# Altium PCB Wireless Security Board.PcbDoc (part 1 of 2) (continued)
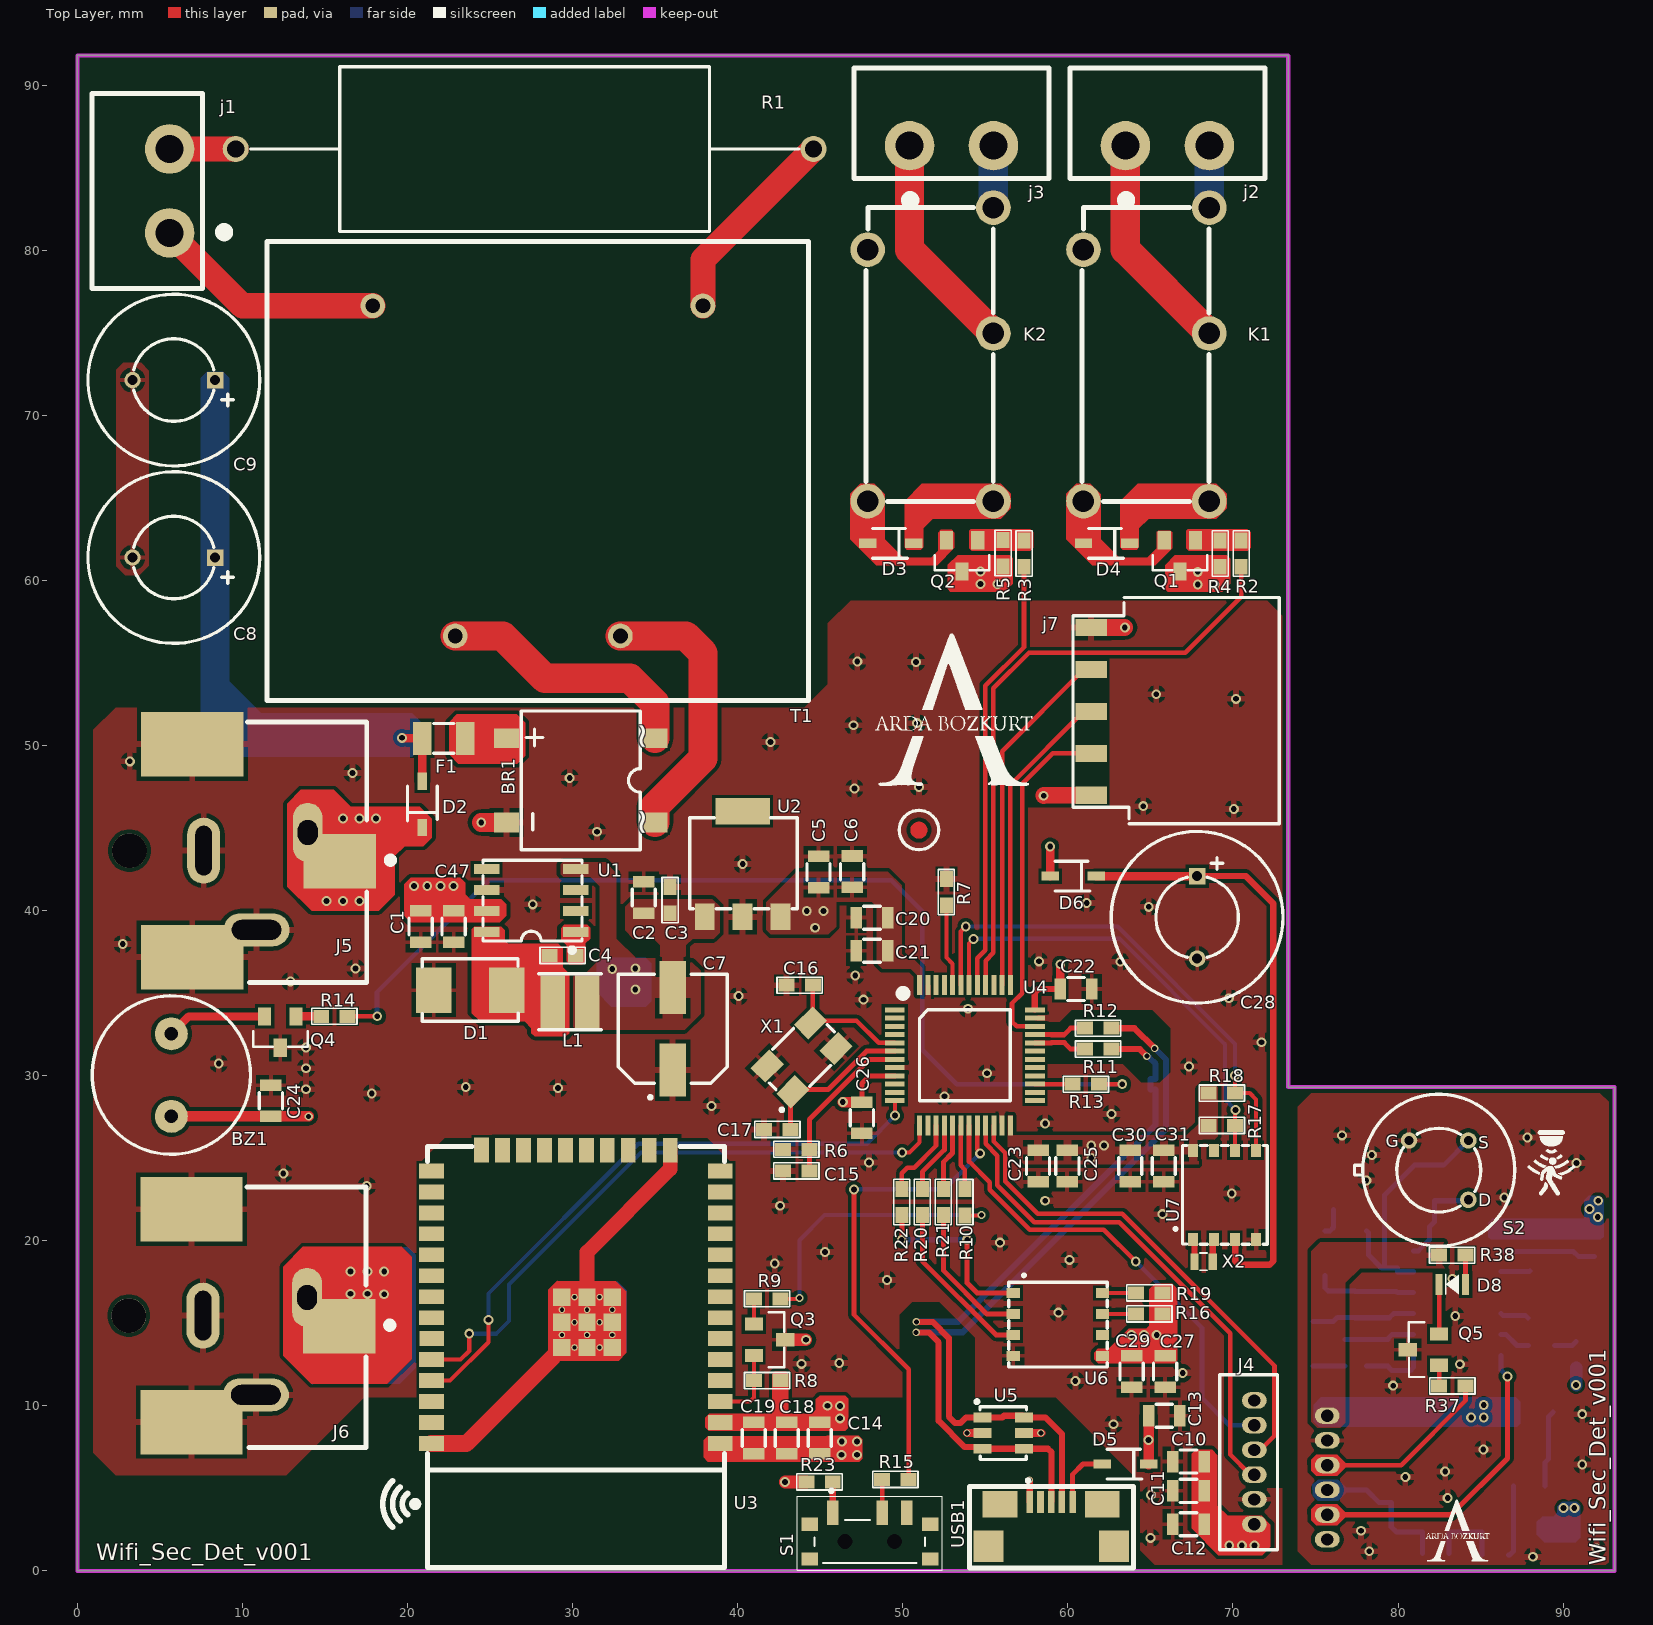
[diagram p0: Top Layer view]
## Design rules (kind name [scope] priority, off if disabled: settings)
Clearance [All] p1: gap=0.229 ignorepadtopadclearanceinfootprint=TRUE except(0: Arc-Text Track-Text SMDPad-Text THPad-Text Via-Text Fill-Text Poly-Text Region-Text Text-Text Text-Hole; 0.178: Arc-Arc Arc-Track Arc-SMDPad Arc-Via Track-Track Track-SMDPad Track-Via SMDPad-Fill SMDPad-Poly SMDPad-Region Via-Via; 0.203: SMDPad-SMDPad SMDPad-THPad THPad-THPad; 0.254: Arc-THPad Track-THPad SMDPad-Via THPad-Via)
ComponentClearance [All] p1: gap=0.127 collisioncheckmode=3 verticalgap=0 showdistances=FALSE
DiffPairsRouting DiffPairsRouting_1 [InDifferentialPair('MCU')] p1: maxlimit=0.178 minlimit=0.178 mostfreqgap=0.178 toplayer_minwidth=0.305 toplayer_maxwidth=0.305 toplayer_prefwidth=0.305 bottomlayer_minwidth=0.305 bottomlayer_maxwidth=0.305 bottomlayer_prefwidth=0.305 impedanceprofiledriven=TRUE impedanceprofileid={00F1DBD9-82CD-4BBC-8852-55A6683EBD23} impedanceprofilevalue=90.000000 maxuncoupledlength=12.7
DiffPairsRouting [InDifferentialPair('USB')] p2: maxlimit=0.254 minlimit=0.254 mostfreqgap=0.254 toplayer_minwidth=0.373 toplayer_maxwidth=0.373 toplayer_prefwidth=0.373 bottomlayer_minwidth=0.373 bottomlayer_maxwidth=0.373 bottomlayer_prefwidth=0.373 impedanceprofiledriven=TRUE impedanceprofileid={4055D575-A5D5-4756-BC95-52A0656D1396} impedanceprofilevalue=90.000000 maxuncoupledlength=12.7
HoleSize [All] p1: absolutevalues=TRUE maxlimit=6 minlimit=0.025 maxpercent=80.000 minpercent=20.000
MinimumSolderMaskSliver [All] p1: minsoldermaskwidth=0.127
NetAntennae [All] p1: netantennaetolerance=0.254
PasteMaskExpansion [All] p1: expansion=0.05
PlaneClearance [All] p1: clearance=0.762
PlaneConnect [All] p1: planeconnectstyle=Relief reliefexpansion=0.381 reliefentries=4 reliefconductorwidth=0.381 reliefairgap=0.254
PolygonConnect [All] p1: connectstyle=Relief reliefconductorwidth=0.381 reliefentries=4 polygonreliefangle="90 Angle" airgapwidth=0.254
RoutingCorners [All] p1: cornerstyle=45-Degree minsetback=2.032 maxsetback=2.032
RoutingVias [All] p1: holewidth=0.3 width=0.5 viastyle="Through Hole" minholewidth=0.2 minwidth=0.4 maxholewidth=0.8 maxwidth=1
SMDEntry [All] p1: side=TRUE corner=TRUE anyangle=TRUE
SMDToCorner [All] p1: distance=10000
SilkToSilkClearance [All] p1 off: silktosilkclearance=0
SilkToSolderMaskClearance [IsPad] p1 off: minsilkscreentomaskgap=0.127 clearancetoexposedcopper=TRUE
SolderMaskExpansion [All] p1: expansion=0.05 istentingtop=TRUE
UnRoutedNet [All] p1: checkbadconnections=TRUE
Width [All] p1: maxlimit=1.778 minlimit=0.203 preferedwidth=0.279 minimp=50.000000 maximp=50.000000 favimp=50.000000
18 further rules are at their usual default settings.

## Classes and differential pairs
component class "Sensor Board": C32 C33 C34 C35 C36 C37 C38 C39 C40 C41 C42 C43 C44 C45 C46 D7 D8 J8 Q5 R24 R25 R26 R27 R28 R29 R30 R31 R32 R33 R34 R35 R36 R37 R38 RT1 S2 U8 U9
component class "Power Manengement": BR1 C1 C2 C3 C4 C5 C6 C7 C8 C9 C10 C11 C12 C13 C47 D1 D2 D3 D4 D5 F1 j1 j2 j3 J4 J5 J6 j7 K1 K2 L1 Q1 Q2 R1 R2 R3 R4 R5 T1 U1 U2 USB1
component class Microcontroller: BZ1 C14 C15 C16 C17 C18 C19 C20 C21 C22 C23 C24 C25 C26 C27 C28 C29 C30 C31 D6 Q3 Q4 R6 R7 R8 R9 R10 R11 R12 R13 R14 R15 R16 R17 R18 R19 R20 R21 R22 R23 S1 U3 U4 U5 U6 U7 X1 X2
differential pair MCU: +MCU_P -MCU_N
differential pair USB: +USB_P -USB_N

## Components (designator, comment, footprint, x,y, rotation, side; value= is the part's Value field where it differs from the comment)
BR1 "DB105STR" DB105STR 30.488,47.892 r90 top
BZ1 "CMI-9605IC-0580T" CMI-9605IC-0580T 5.688,30.042 r0 top
C1 "GRM21BR60G107ME11K" CAP-0805 20.788,39.037 r90 top value=100uF
C2 "CL21B105KAFNNNE" CAP-0805 34.302,40.792 r270 top value=1uF
C3 "C0603C104KRACTU" CAP-0603 35.915,40.66 r270 top value=100nF
C4 "0603B103K160CT" CAP-0603 29.37,37.3 r0 top value=10nF
C5 "CL21B105KAFNNNE" CAP-0805 44.894,42.352 r270 top value=1uF
C6 "CL21A475KAQNNNE" CAP-0805 46.926,42.362 r270 top value=4.7uF
C7 "EEV686M035A9HAA" "CAP ALUM HYB 68UF 20% 35V SMD" 36.156,32.741 r90 top value=68uF
C8 "ESH477M050AH4AA" CAP_RADİAL_D1_PS 5.838,61.392 r180 top value=470uF
C9 "ESH477M050AH4AA" CAP_RADİAL_D1_PS 5.838,72.142 r180 top value=470uF
C10 "CL21A475KAQNNNE" CAP-0805 67.3,6.629 r0 top value=4.7uF
C11 "CL21A475KAQNNNE" CAP-0805 67.3,4.851 r0 top value=4.7uF
C12 "CL21B105KAFNNNE" CAP-0805 67.3,2.83 r0 top value=1uF
C13 "CL21A475KAQNNNE" CAP-0805 65.837,9.398 r180 top value=4.7uF
C14 "CL21B105KAFNNNE" CAP-0805 44.972,8.058 r90 top value=1uF
C15 "C0603C104KRACTU" CAP-0603 43.531,24.244 r0 top value=100nF
C16 "0603N200J500CT" CAP-0603 43.734,35.496 r0 top value=20pF
C17 "0603N200J500CT" CAP-0603 42.374,26.759 r0 top value=20pF
C18 "CL21A475KAQNNNE" CAP-0805 42.972,8.058 r90 top value=4.7uF
C19 "08055C104KAT2A" CAP-0805 40.972,8.058 r90 top value=100nF
C20 "CL21A475KAQNNNE" CAP-0805 48.131,39.567 r0 top value=4.7uF
C21 "CL21B105KAFNNNE" CAP-0805 48.131,37.567 r0 top value=1uF
C22 "08055C104KAT2A" CAP-0805 60.488,35.255 r180 top value=100nF
C23 "08055C104KAT2A" CAP-0805 58.191,24.526 r90 top value=100nF
C24 "08055C104KAT2A" CAP-0805 11.721,28.484 r270 top value=100nF
C25 "08055C104KAT2A" CAP-0805 59.969,24.526 r90 top value=100nF
C26 "08055C104KAT2A" CAP-0805 47.523,27.457 r90 top value=100nF
C27 "CL21B105KAFNNNE" CAP-0805 65.888,12.08 r90 top value=1uF
C28 "ESH477M050AH4AA" CAP_RADİAL_D1_PS 67.83,39.599 r270 top value=470uF
C29 "08055C104KAT2A" CAP-0805 63.856,12.08 r90 top value=100nF
C30 "08055C104KAT2A" CAP-0805 63.779,24.526 r90 top value=100nF
C31 "CL21B105KAFNNNE" CAP-0805 65.811,24.526 r90 top value=1uF
C32 "C3216X5R1C336M160AB" "CAP 1206" 74.838,13.757 r270 bottom value=33uF
C33 "0603B103K160CT" CAP-0603 78.688,16.157 r270 bottom value=10nF
C34 "C3216X5R1C336M160AB" "CAP 1206" 75.588,19.257 r270 bottom value=33uF
C35 "08055C104KAT2A" CAP-0805 81.256,22.428 r0 bottom value=100nF
C36 "0603B103K160CT" CAP-0603 78.069,13.232 r270 bottom value=10nF
C37 "08055C104KAT2A" CAP-0805 78.088,21.557 r270 bottom value=100nF
C38 "C0603C104KRACTU" CAP-0603 90.301,1.739 r90 bottom value=100nF
C39 "CL21A475KAQNNNE" CAP-0805 85.088,3.307 r270 bottom value=4.7uF
C40 "CL21B105KAFNNNE" CAP-0805 80.538,4.14 r180 bottom value=1uF
C41 "08055C104KAT2A" CAP-0805 89.588,18.407 r90 bottom value=100nF
C42 "08055C104KAT2A" CAP-0805 88.288,21.557 r270 bottom value=100nF
C43 "CL21B105KAFNNNE" CAP-0805 90.288,21.557 r270 bottom value=1uF
C44 "CL21A475KAQNNNE" CAP-0805 82.488,8.507 r90 bottom value=4.7uF
C45 "CL21A475KAQNNNE" CAP-0805 80.488,8.507 r90 bottom value=4.7uF
C46 "CL21B105KAFNNNE" CAP-0805 78.488,8.507 r90 bottom value=1uF
C47 "CL21B105KAFNNNE" CAP-0805 22.788,39.037 r90 top value=1uF
D1 "1SMB5919BT3G" DİODE403A-03 23.788,35.187 r0 top
D2 "1N4148WS" SOT-323 20.888,46.442 r90 top value=4pF
D3 "1N4148WS" SOT-323 49.266,62.255 r180 top value=4pF
D4 "1N4148WS" SOT-323 62.347,62.255 r180 top value=4pF
D5 "1N4148WS" SOT-323 63.488,6.477 r180 top value=4pF
D6 "1N4148WS" SOT-323 60.322,42.088 r180 top value=4pF
D7 "LTST-C171GKT" "LED GREEN 0805" 88.688,13.657 r0 bottom
D8 "LS R976-NR-1" "LED RED 0805" 83.288,17.357 r0 top
F1 "3413.0216.22" FUSE-1206 22.188,50.437 r180 top
j1 "TBP01R1-508-02BE" TBP01R1-508-02BE 5.588,83.602 r90 top
j2 "TBP01R1-508-02BE" TBP01R1-508-02BE 66.028,86.342 r0 top
j3 "TBP01R1-508-02BE" TBP01R1-508-02BE 52.948,86.342 r0 top
J4 "64800611622" PİN_HEADER_1X6 71.298,6.58 r90 top
J5 "PJ-037AH-SMT-TR" JACK 9.525,43.637 r0 top
J6 "PJ-037AH-SMT-TR" JACK 9.486,15.469 r0 top
j7 "SMH-105-02-L-S" "PİN HEADER 1X5 RA" 61.404,52.07 r90 top
J8 "64800611622" PİN_HEADER_1X6 75.713,5.657 r270 bottom
K1 "ALQ112" ALQ112 64.753,73.697 r0 top
K2 "ALQ112" ALQ112 51.678,73.697 r0 top
L1 "78438335470" "IND 1212" 29.838,34.487 r0 top value=47uH
Q1 "MMBT3904-7-F" SOT23-3 66.788,61.492 r180 top
Q2 "MMBT3904-7-F" SOT23-3 53.588,61.492 r180 top
Q3 "MMBT3904-7-F" SOT23-3 41.932,14.006 r270 top
Q4 "MMBT3904-7-F" SOT23-3 12.288,32.642 r180 top
Q5 "MMBT3904-7-F" SOT23-3 81.538,13.407 r90 top
R1 "5WD27" 5WD27 27.088,86.142 r0 top
R2 "RMCF0603FT1K00" RES-0603 70.497,61.633 r90 top value="1k OHM"
R3 "RMCF0603FT1K00" RES-0603 57.34,61.633 r90 top value="1k OHM"
R4 "RC0603FR-0710KL" RES-0603 69.227,61.633 r90 top value="10k OHM"
R5 "RC0603FR-0710KL" RES-0603 56.07,61.659 r90 top value="10k OHM"
R6 "RMCF0603FT100R" RES-0603 43.548,25.544 r0 top value="100 OHM"
R7 "RMCF0603FT100R" RES-0603 52.638,41.123 r270 top value="100 OHM"
R8 "RMCF0603FT1K00" RES-0603 41.782,11.532 r180 top value="1k OHM"
R9 "RMCF0603FT100R" RES-0603 41.782,16.485 r180 top value="100 OHM"
R10 "RMCF0603FT100R" RES-0603 53.761,22.342 r270 top value="100 OHM"
R11 "RMCF0603FT4K70" RES-0603 61.836,31.61 r180 top value="4.7k OHM"
R12 "RMCF0603FT4K70" RES-0603 61.836,32.88 r180 top value="4.7k OHM"
R13 "RMCF0603FT100R" RES-0603 61.086,29.489 r0 top value="100 OHM"
R14 "RMCF0603FT100R" RES-0603 15.57,33.604 r180 top value="100 OHM"
R15 "RMCF0603FT100R" RES-0603 49.552,5.545 r180 top value="100 OHM"
R16 "RC0603FR-0710KL" RES-0603 64.931,15.571 r0 top value="10k OHM"
R17 "RMCF0603FT4K70" RES-0603 69.329,26.993 r180 top value="4.7k OHM"
R18 "RMCF0603FT4K70" RES-0603 69.329,28.948 r180 top value="4.7k OHM"
R19 "RC0603FR-0710KL" RES-0603 64.938,16.841 r0 top value="10k OHM"
R20 "RMCF0603FT100R" RES-0603 51.181,22.352 r90 top value="100 OHM"
R21 "RMCF0603FT100R" RES-0603 52.451,22.352 r90 top value="100 OHM"
R22 "RMCF0603FT100R" RES-0603 49.936,22.352 r90 top value="100 OHM"
R23 "RMCF0603FT100R" RES-0603 44.954,5.392 r180 top value="100 OHM"
R24 "RC0603FR-0710KL" RES-0603 76.088,22.707 r270 bottom value="10k OHM"
R25 "RC0603FR-0710KL" RES-0603 88.088,6.557 r0 bottom value="10k OHM"
R26 "RMCF0603FT560K" RES-0603 77.388,16.157 r270 bottom value="560k OHM"
R27 "RC0603FR-0710KL" RES-0603 76.782,13.214 r90 bottom value="10k OHM"
R28 "RMCF0603FT560K" RES-0603 79.382,13.214 r270 bottom value="560k OHM"
R29 "RMCF0603FT43K0" RES-0603 78.288,18.357 r0 bottom value="43k OHM"
R30 "RMCF0603FT1K00" RES-0603 85.888,0.957 r180 bottom value="1k OHM"
R31 "WR06X2203FTL" RES-0603 82.288,2.357 r180 bottom value="220k OHM"
R32 "WR06X2203FTL" RES-0603 82.288,1.057 r180 bottom value="220k OHM"
R33 "RMCF0603ZT0R00" RES-0603 88.683,15.316 r180 bottom value="0 OHM"
R34 "RMCF0603FT1K00" RES-0603 90.788,13.107 r270 bottom value="1k OHM"
R35 "RMCF0603ZT0R00" RES-0603 87.988,17.357 r90 bottom value="0 OHM"
R36 "WR06X2203FTL" RES-0603 91.888,19.857 r90 bottom value="220k OHM"
R37 "RMCF0603FT1K00" RES-0603 83.288,11.207 r180 top value="1k OHM"
R38 "RMCF0603FT100R" RES-0603 83.286,19.126 r180 top value="100 OHM"
RT1 "TFPT1206L1002FM" TFPT1206 87.947,9.627 r180 bottom value=10kR
S1 "EG1215AA" "SWİCH SLİDE" 47.998,1.78 r0 top
S2 "LHI 878/3902" TO-5-3 82.463,24.282 r0 top
T1 "BV302512010-ZU" BV302512010-ZU 27.888,66.642 r180 top
U1 "LM2675MX-12/NOPB" SOIC-8 27.488,40.612 r90 top
U2 "AP7361-33E-13" SOT223 40.296,42.824 r0 top
U3 "ESP32-WROOM-32N4" ESP32­WROOM­32-N4 30.193,16.614 r180 top
U4 "STM32F103C6T6A" LQFP48 53.762,31.242 r270 top
U5 "USBLC6-2SC6" SOT23-6 56.083,8.357 r0 top value=3.5pF
U6 "MAX6662MSA+" SO8 59.388,14.936 r270 top
U7 "M41T00M6F" SO8 69.494,22.776 r0 top
U8 "OPA314AIDBVR" SOT23-5 87.938,3.857 r0 bottom
U9 "NCS36000DRG" SOIC-14 83.588,16.857 r0 bottom
USB1 "10118192-0002LF" MİCRO_B_USB 58.988,4.177 r0 top
X1 "ECS-160-20-30B-TR" ECX_53b 43.875,31.118 r45 top
X2 "ABS05-32.768KHZ-T" ABS05 68.224,18.738 r0 top

## Footprints (in the part's own frame and the unit in brackets; to place one, negate y for a bottom-side part, rotate by r counter-clockwise, add the part's x,y. Pads: shape width x height; smd on the part's side, far side on the other; paste and mask are expansions set on the pad)
5WD27 [mm]
  round 1.575 hole 1.05: 1(-17.5,0) 2(17.5,0)
  silkscreen extent -16.6,-5 16.6,4.98, body extent -17.9,-4.82 17.9,4.83, height 9.66
ABS05 [mm]
  rect 0.5x1 smd mask+0.05: 1(-0.55,0) 2(0.55,0)
  silkscreen extent -0.23,-0.53 0.23,0.53, body extent -0.8,-0.5 0.8,0.5, height 0.5
ALQ112 [mm]
  round 2.1 hole 1.3 mask+0.05: 1(-3.81,6.35) 2(3.81,1.27) 3(3.81,8.89) 4(-3.81,-8.89) 5(3.81,-8.89)
  silkscreen extent -3.9,-8.9 3.8,8.9, body extent -5,-10 5,10.27, height 16
BV302512010-ZU [mm]
  round 1.5 hole 0.9 mask+0.05: 1(10,-10) 5(-10,-10) 7(-5,10) 9(5,10)
  silkscreen extent -16.4,-13.9 16.4,13.9, body extent -16.4,-13.9 16.4,13.9, height 22.9
"CAP 1206" [mm]
  rect 0.7x1.7 smd mask+0.05: 1(-1.35,0) 2(1.35,0)
  silkscreen extent -0.9,-0.8 0.9,0.8, body extent -1.97,-0.98 1.97,0.98, height 1.3
"CAP ALUM HYB 68UF 20% 35V SMD" [mm] "EEH-ZA1V680XP"
  rect 3.2x1.6 smd: 1(-2.4,0.1) 2(2.6,0.1)
  silkscreen extent -4.15,-3.2 3.4,3.4, body extent -3.55,-3.2 3.75,3.4, height 7.7
CAP-0603 [mil]
  rect 38x31 smd mask+1.97: 1(-30.8,-0.5) 2(32.2,-0.5)
  silkscreen extent -53,-20 55,19, body extent -40,-20 43,20, height 31
CAP-0805 [mm]
  rect 0.7x1.3 smd mask+0.05: 1(-0.95,0) 2(0.95,0)
  silkscreen extent -0.5,-0.7 0.5,0.7, body extent -1.3,-0.68 1.3,0.68, height 0.9
CAP_RADİAL_D1_PS [mm]
  rect 1x1 hole 0.6 mask+0.05: 1(-2.5,0)
  round 1 hole 0.6 mask+0.05: 2(2.5,0)
  silkscreen extent -5.2,-5.2 5.2,5.2, body extent -5.27,-5.24 5.25,5.24, height 22.11
CMI-9605IC-0580T [mm] "BUZZER-MAGNETIC-5V"
  round 2 hole 0.8 mask+0.05: 1(0,-2.5) 2(0,2.5)
  silkscreen extent -4.8,-4.8 4.8,4.8, body extent -4.97,-4.83 4.83,4.77, height 5.3
DB105STR [mm] "BRIDGE-RECT-DBS-1PHASE-600V-1A"
  rect 1.2x1.52 smd: 1(-2.55,-4.5) 2(2.55,-4.5) 3(2.55,4.5) 4(-2.55,4.5)
  silkscreen extent -4.2,-3.6 4.2,3.6, body extent -4.16,-5.18 4.16,5.22, height 2.66
DİODE403A-03 [mm]
  rect 2.159x2.743 smd mask+0.05: 1(-2.21,0) 2(2.21,0)
  silkscreen extent -2.9,-1.88 2.91,1.9, body extent -2.72,-1.78 2.72,1.78, height 2.31
ECX_53b [mm]
  rect 1.6x1.25 smd mask+0.05: 1(-1.85,-1.1) 2(1.85,-1.1) 3(1.85,1.1) 4(-1.85,1.1)
  silkscreen extent -3.2,-1.6 2.5,1.6, body extent -2.5,-1.6 2.5,1.6, height 0.85
ESP32­WROOM­32-N4 [mm]
  rect 1.5x0.9 smd mask+0.05: 1(-8.75,8.89) 1(-8.75,8.89) 2(-8.75,7.62) 3(-8.75,6.35) 4(-8.75,5.08) 5(-8.75,3.81) 6(-8.75,2.54) 7(-8.75,1.27) 8(-8.75,0) 9(-8.75,-1.27) 10(-8.75,-2.54) 11(-8.75,-3.81) 12(-8.75,-5.08) 13(-8.75,-6.35) 14(-8.75,-7.62) 25(8.75,-7.62) 25(8.75,-7.62) 26(8.75,-6.35) 27(8.75,-5.08) 28(8.75,-3.81) 29(8.75,-2.54) 30(8.75,-1.27) 31(8.75,0) 32(8.75,1.27) 33(8.73,2.535) 34(8.75,3.81) 35(8.75,5.08) 36(8.75,6.35) 37(8.75,7.62) 38(8.75,8.89)
  rect 0.9x1.5 smd mask+0.05: 15(-5.715,-8.87) 15(-5.715,-8.87) 16(-4.445,-8.87) 17(-3.175,-8.87) 18(-1.905,-8.87) 19(-0.635,-8.87) 20(0.635,-8.87) 21(1.905,-8.87) 22(3.175,-8.87) 23(4.445,-8.87) 24(5.715,-8.89)
  rect 1.05x1.05 smd mask+0.05: 39(-2.206,1.55) 39(-2.206,3.076) 39(-2.206,0.024) 39(-0.68,3.076) 39(-0.68,1.55) 39(-0.68,0.024) 39(0.846,3.076) 39(0.846,1.55) 39(0.846,0.024)
  round 0.4 hole 0.25 mask+0.05: 40(-2.206,2.313) 40(-2.206,0.787) 40(-1.443,3.076) 40(-1.443,1.55) 40(-1.443,0.024) 40(-0.68,2.313) 40(-0.68,0.787) 40(0.083,3.076) 40(0.083,1.55) 40(0.083,0.024) 40(0.846,2.313) 40(0.846,0.787)
  silkscreen extent -9,-9.1 9,16.4, body extent -9,-9.1 9,16.4, height 3.35
FUSE-1206 [mm] "FUSE 3413.0216.22"
  rect 1.1x2 smd mask+0.05: 1(-1.3,0) 2(1.3,0)
  silkscreen extent -0.6,-0.9 0.6,0.9, body extent -1.6,-0.8 1.6,0.8, height 0.6
"IND 1212" [mm]
  rect 1.5x3.2 smd mask+0.05: 1(-1.05,0) 2(1.05,0)
  silkscreen extent -1.9,-1.7 1.9,1.7, body extent -1.5,-1.5 1.5,1.5, height 1.2
JACK [mm] "DC POWER JACK"
  oval 1.8x3.6 hole 1.2 slot 1.5 at 90 deg: 1(4.425,1.1)
  rect 4.4x3.3 smd: 1(6.375,-0.65)
  rect 6.2x3.9 smd: 2(-2.575,6.45) 3(-2.575,-6.45)
  oval 2x4 hole 1 slot 3 at 90 deg: 2(-1.875,0)
  oval 4x2 hole 1.2 slot 3 at 0 deg: 3(1.325,-4.8)
  round 2.1 hole 2.1 unplated: ""(-6.375,0)
  silkscreen extent 0.78,-8 9.63,7.8, body extent -9.38,-7.65 7.73,7.55, height 11.2
"LED GREEN 0805" [mm]
  rect 0.43x1.25 smd mask+0.05: 1(-0.8,0) 2(0.8,0)
  silkscreen extent -0.4,-0.6 0.4,0.6, body extent -1,-0.63 1,0.63, height 1.1
"LED RED 0805" [mm]
  rect 0.43x1.25 smd mask+0.05: 1(-0.8,0) 2(0.8,0)
  silkscreen extent -0.4,-0.6 0.4,0.6, body extent -1,-0.63 1,0.63, height 1.1
LQFP48 [mm]
  rect 0.3x1.2 smd mask+0.05: 1(-2.75,-4.25) 2(-2.25,-4.25) 3(-1.75,-4.25) 4(-1.25,-4.25) 5(-0.75,-4.25) 6(-0.25,-4.25) 7(0.25,-4.25) 8(0.75,-4.25) 9(1.25,-4.25) 10(1.75,-4.25) 11(2.25,-4.25) 12(2.75,-4.25) 25(2.75,4.25) 26(2.25,4.25) 27(1.75,4.25) 28(1.25,4.25) 29(0.75,4.25) 30(0.25,4.25) 31(-0.25,4.25) 32(-0.75,4.25) 33(-1.25,4.25) 34(-1.75,4.25) 35(-2.25,4.25) 36(-2.75,4.25)
  rect 1.2x0.3 smd mask+0.05: 13(4.25,-2.75) 14(4.25,-2.25) 15(4.25,-1.75) 16(4.25,-1.25) 17(4.25,-0.75) 18(4.25,-0.25) 19(4.25,0.25) 20(4.25,0.75) 21(4.25,1.25) 22(4.25,1.75) 23(4.25,2.25) 24(4.25,2.75) 37(-4.25,2.75) 38(-4.25,2.25) 39(-4.25,1.75) 40(-4.25,1.25) 41(-4.25,0.75) 42(-4.25,0.25) 43(-4.25,-0.25) 44(-4.25,-0.75) 45(-4.25,-1.25) 46(-4.25,-1.75) 47(-4.25,-2.25) 48(-4.25,-2.75)
  silkscreen extent -3.9,-3.9 2.75,2.75, body extent -4.51,-4.51 4.51,4.51, height 1.6
MİCRO_B_USB [mm] "CONN RCPT USB2.0 MICRO B SMD R/A"
  rect 0.4x1.35 smd: 1(1.3,0) 2(0.65,0) 3(0,0) 4(-0.65,0) 5(-1.3,0)
  rect 2.1x1.6 smd: S1(-3.1,-0.125) S2(3.1,-0.125)
  rect 1.8x1.9 smd: S3(-3.8,-2.675) S6(3.8,-2.675)
  silkscreen extent -4.95,-4 4.97,1.4, body extent -3.95,-4.82 3.95,0.28, height 2.7
"PİN HEADER 1X5 RA" [mm] "CONN RCPT 5POS 0.1 GOLD SMD R/A"
  rect 1.04x1.91 smd mask+0: 1(-5.08,0) 2(-2.54,0) 3(0,0) 4(2.54,0) 5(5.08,0)
  silkscreen extent -6.81,-11.4 6.9,1.1, body extent -6.6,-11.35 6.61,0.59, height 2.51
PİN_HEADER_1X6 [mm]
  oval 1x1.5 hole 0.75 mask+0.05: 1(-3.75,0) 2(-2.25,0) 3(-0.75,0) 4(0.75,0) 5(2.25,0) 6(3.75,0)
  silkscreen extent -5.3,-1.4 5.3,2.1, body extent -5.25,-1.4 5.25,2.1, height 4.95
RES-0603 [mil]
  rect 38x31 smd mask+1.97: 1(-31.5,0) 2(31.5,0)
  silkscreen extent -54,-19 54,19, body extent -38,-20 39,19, height 17
SO8 [mm]
  rect 0.6x0.8 smd mask+0.05: 1(-1.905,-2.7) 2(-0.635,-2.7) 3(0.635,-2.7) 4(1.905,-2.7) 5(1.905,2.7) 6(0.635,2.7) 7(-0.635,2.7) 8(-1.905,2.7)
  silkscreen extent -3.05,-2.98 2.58,3, body extent -2.45,-3 2.45,3, height 1.75
SOIC-8 [mm]
  rect 0.6x1.55 smd mask+0.05: 1(-1.905,-2.7) 2(-0.635,-2.7) 3(0.635,-2.7) 4(1.905,-2.7) 5(1.905,2.7) 6(0.635,2.7) 7(-0.635,2.7) 8(-1.905,2.7)
  silkscreen extent -3.14,-3.08 2.45,2.93, body extent -2.46,-3.07 2.44,2.93, height 1.75
SOIC-14 [mm]
  rect 1.18x0.58 smd mask+0.05: 1(-2.66,3.81) 1(-2.66,3.81) 2(-2.66,2.54) 3(-2.66,1.27) 4(-2.66,0) 5(-2.66,-1.27) 6(-2.66,-2.54) 7(-2.66,-3.81) 8(2.66,3.81) 9(2.66,2.54) 10(2.66,1.27) 11(2.66,0) 12(2.66,-1.27) 13(2.66,-2.54) 14(2.66,-3.81)
  silkscreen extent -4.07,-4.4 1.9,4.42, body extent -3.02,-4.32 3.02,4.32, height 1.57
SOT23-3 [mm]
  rect 0.8x1.1 smd mask+0.05: 1(-0.95,-0.95) 2(0.95,-0.95) 3(0,0.95)
  silkscreen extent -1.66,-0.05 1.65,0.88, body extent -1.5,-1.25 1.5,1.25, height 1.1
SOT23-5 [mm]
  rect 0.7x1 smd mask+0.05: 1(-0.95,-1.3) 2(0,-1.3) 3(0.95,-1.3) 4(-0.95,1.3) 5(0.95,1.3)
  silkscreen extent -1.56,-0.89 1.56,0.9, body extent -1.5,-1.42 1.5,1.42, height 1.2
SOT23-6 [mm]
  rect 1.1x0.6 smd mask+0.05: 1(-1.25,0.95) 2(-1.25,0) 3(-1.25,-0.95) 4(1.25,-0.95) 5(1.25,0) 6(1.25,0.95)
  silkscreen extent -1.7,-1.6 1.41,2, body extent -1.4,-1.46 1.4,1.46, height 1.4
SOT223 [mm]
  rect 1.2x1.6 smd mask+0.05: 1(-2.3,-3.2) 2(0,-3.2) 3(2.3,-3.2)
  rect 3.3x1.6 smd mask+0.05: 4(0,3.2)
  silkscreen extent -3.2,-2.7 3.3,2.8, body extent -3.25,-3.48 3.25,3.48, height 1.7
SOT-323 [mm]
  rect 1.05x0.55 smd mask+0.05: 1(-1.4,0) 2(1.4,0)
  silkscreen extent -1,-0.9 1.1,0.9, body extent -1.35,-0.72 1.35,0.72, height 1.17
"SWİCH SLİDE" [mm]
  rect 1x0.8 smd: 0(-3.65,-1.05) 0(-3.65,1.05) 0(3.65,-1.05) 0(3.65,1.05)
  rect 0.7x1.5 smd: 1(-2.25,1.75) 2(0.75,1.75) 3(2.25,1.75)
  round 0 hole 0.9 unplated: ""(-1.5,0) ""(1.5,0)
  silkscreen extent -4.4,-1.75 4.4,3.17, body extent -3.85,-2.7 3.85,2.2, height 1.45
TBP01R1-508-02BE [mm] "TERMINAL BLOCK, PLUGGABLE, 5.08,"
  round 3 hole 1.7 mask+0.05: 1(-2.54,0) 2(2.54,0)
  silkscreen extent -5.9,-3.5 5.9,4.7, body extent -5.86,-2 5.9,10, height 8.7
TFPT1206 [mm]
  rect 1.15x1.8 smd mask+0.05: 1(-1.45,0) 2(1.45,0)
  silkscreen extent -0.8,-0.9 0.81,0.9, body extent -1.6,-0.83 1.6,0.83, height 0.66
TO-5-3 [mm] "LHI 878"
  round 1 hole 0.55 mask+0.05: 1(1.796,-1.796) 2(1.796,1.796) 3(-1.796,1.796)
  silkscreen extent -5.1,-4.6 4.6,4.6, body extent -5.08,-4.6 4.6,4.6, height 4.5

## Part data
BR1: "Bridge Rect 1PHASE 600V 1A Db-s", Manufacturer="Sangdest Microelectronics", Manufacturer Part Number=DB105S, Max Current=1A, Operating Voltage=600V, Supplier Part Number=1655-DB105SCT-ND, Category=Uncategorized, Designed By="Arda B.", Pricing="1=0,41, 10=0,29, 100=0,1464, 500=0,12978 (USD)", RoHS=No, Stock=16246, Supplier=Digi-Key
BZ1: "Audio Buzzer Magnetic 3VDC 7VDC 30mA 5VDC 85dB 2600Hz to 2800Hz Through Hole Pin Box", Manufacturer="CUI Devices", Supplier Part Number=2223-CMI-9605IC-0580T-ND, Category="Audio Products", Des,gned By="Arda B.", Manufacturer Part Number=CMI-9605IC-0580T, Pricing="1=1,22, 10=1,014, 25=0,938, 50=0,883, 100=0,8298, 250=0,76976, 500=0,71396, 1000=0,66741, 5000=0,65403 (USD)", RoHS=No, Stock=5910, Supplier=Digi-Key
C1: library part "CAP CER 100uF 0805", "Cap 100UF 4VDC X5R 20% SMD 0805 Embossed Tape", Dielectric=X5R, Manufacturer=Murata, Supplier Part Number=490-GRM21BR60G107ME11KCT-ND, Tolerance=20%, Voltage Rating (DC)=4V, Category="Ceramic Capacitors", Designed By="Arda B.", Length=2mm, Manufacturer Part Number=GRM21BR60G107ME11K, Pricing="1=0,61, 10=0,409, 50=0,3256, 100=0,269, 500=0,21012, 1000=0,1786, 2500=0,1681, 5000=0,15759 (USD)", RoHS=Yes, RoHS Compliant=Yes, Stock=12136, Supplier=Digikey, Thickness=1.25mm, Width=1.25mm
C2 C5 C12 C14 C21 C27 C31 C40 C43 C46 C47: library part "CAP CER 1uF 0805", "Multilayer Ceramic Capacitor, 1 uF, 25 V, ± 10%, X7R, 0805 [2012 Metric]", Case Code (Metric)=2012, Case Code (Imperial)=0805, Dielectric=X7R, Manufacturer=Samsung, Max Operating Temperature=125°C, Min Operating Temperature=-55°C, Package Quantity=1, Supplier Part Number=1276-1066-6-ND, Tolerance=10%, Voltage=25V, Case/Package=0805, Category="Ceramic Capacitors", ComponentLink1Description=https://datasheet.ciiva.com/25800/cl21b105kafnnne-25800163.pdf?src-supplier=Digi-Key, ComponentLink1URL=https://datasheet.ciiva.com/25800/cl21b105kafnnne-25800163.pdf?src-supplier=Digi-Key, ComponentLink2Description=https://datasheet.ciiva.com/15195/getdatasheetpartid-355205-15195880.pdf?src-supplier=Verical, ComponentLink2URL=https://datasheet.ciiva.com/15195/getdatasheetpartid-355205-15195880.pdf?src-supplier=Verical, Construction=Flat, Depth=1.25mm, Designed By="Arda B.", Height=1.25mm, Lead Free="Lead Free", Length=2mm, Manufacturer Part Number=CL21B105KAFNNNE, Mounting Technology="Surface Mount", Packaging="Tape and Reel", Pricing="1=0,1, 10=0,062, 50=0,0356, 100=0,0276, 500=0,02078, 1000=0,01633 (USD)", Radiation Hardening=No, RoHS=Yes, RoHS Compliant=Yes, Series=CL, Stock=1108684, Supplier=Digi-Key, Thickness=0.053inch, Voltage Rating=25V, Voltage Rating (DC)=25V, Width=0.049inch
C3 C15 C38: library part "CAP CER 100nF 0603", "Capacitor, 0.1UF, 100V, MLCC, 0603;", Case/Package=345Case, Dielectric=1511DielectricType, Manufacturer=KEMET, Manufacturer Part Number=C0603C104K1RACTU, Supplier Part Number=399-C0603C104K1RACTUCT-ND, Voltage Rating (DC)=100V, Category="Ceramic Capacitors", Designed By="Arda B.", Pricing="1=0,28, 10=0,185, 50=0,1296, 100=0,1047, 500=0,07782, 1000=0,06808 (USD)", RoHS=No, Stock=4405, Supplier=Digi-Key
C4 C33 C36: library part "CAP CER 10nF 0603", "0603 16V X7R .01uF 10% multilayer ceramic capacitor", Manufacturer="Walsin Technologies", Supplier Part Number=1292-1384-1-ND, Category="Ceramic Capacitors", ComponentLink1Description=http://www.farnell.com/datasheets/1958513.pdf?src-supplier=Farnell, ComponentLink1URL=http://www.farnell.com/datasheets/1958513.pdf?src-supplier=Farnell, ComponentLink2Description=http://www.passivecomponent.com/wp-content/uploads/2018/10/MLCC.pdf?src-supplier=Digi-Key, ComponentLink2URL=http://www.passivecomponent.com/wp-content/uploads/2018/10/MLCC.pdf?src-supplier=Digi-Key, ComponentLink3Description=https://datasheet.octopart.com/0603B103K160CT-Walsin-Technologies-datasheet-85392065.pdf?src-supplier=Element14, ComponentLink3URL=https://datasheet.octopart.com/0603B103K160CT-Walsin-Technologies-datasheet-85392065.pdf?src-supplier=Element14, ComponentLink4Description=https://datasheet.octopart.com/0603B103K160CT-Walsin-Technologies-datasheet-136037192.pdf?src-supplier=Future+Electronics, ComponentLink4URL=https://datasheet.octopart.com/0603B103K160CT-Walsin-Technologies-datasheet-136037192.pdf?src-supplier=Future+Electronics, ComponentLink5Description=https://datasheet.octopart.com/0603B103K160CT-Walsin-Technologies-datasheet-62066062.pdf?src-supplier=TME, ComponentLink5URL=https://datasheet.octopart.com/0603B103K160CT-Walsin-Technologies-datasheet-62066062.pdf?src-supplier=TME, Designed By="Arda B.", Lead Free=5697LeadFree, Manufacturer Part Number=0603B103K160CT, Pricing="1=0,1, 10=0,032, 50=0,0182, 100=0,0141, 500=0,0106, 1000=0,00833 (USD)", RoHS=Yes, Stock=116602, Supplier=Digi-Key
C6 C10 C11 C13 C18 C20 C39 C44 C45: library part "CAP CER 4.7uF 0805", "Multilayer Ceramic Capacitor, 4.7 uF, 25 V, ± 10%, X5R, 0805 [2012 Metric]", Case Code (Metric)=2012, Case Code (Imperial)=0805, Dielectric=X5R, Manufacturer=Samsung, Max Operating Temperature=85°C, Min Operating Temperature=-55°C, Supplier Part Number=1276-1244-1-ND, Tolerance=10%, Voltage Rating=25V, Case/Package=0805, Category="Ceramic Capacitors", ComponentLink1Description=https://datasheet.ciiva.com/25798/cl21a475kaqnnne-25798882.pdf?src-supplier=Digi-Key, ComponentLink1URL=https://datasheet.ciiva.com/25798/cl21a475kaqnnne-25798882.pdf?src-supplier=Digi-Key, Construction=Flat, Depth=1.25mm, Designed By="Arda B.", Height=1.25mm, Lead Free="Lead Free", Length=2mm, Manufacturer Part Number=CL21A475KAQNNNE, Material=Ceramic, Mounting Technology="Surface Mount", Packaging="Tape and Reel", Pricing="1=0,1, 10=0,069, 50=0,0414, 100=0,0326, 500=0,02408, 1000=0,01994 (USD)", Radiation Hardening=No, RoHS=Yes, RoHS Compliant=Yes, Series=CL, Stock=3410220, Supplier=Digi-Key, Voltage Rating (DC)=25V